# KiCad board motorgo_core_panel2.kicad_pcb (continued)
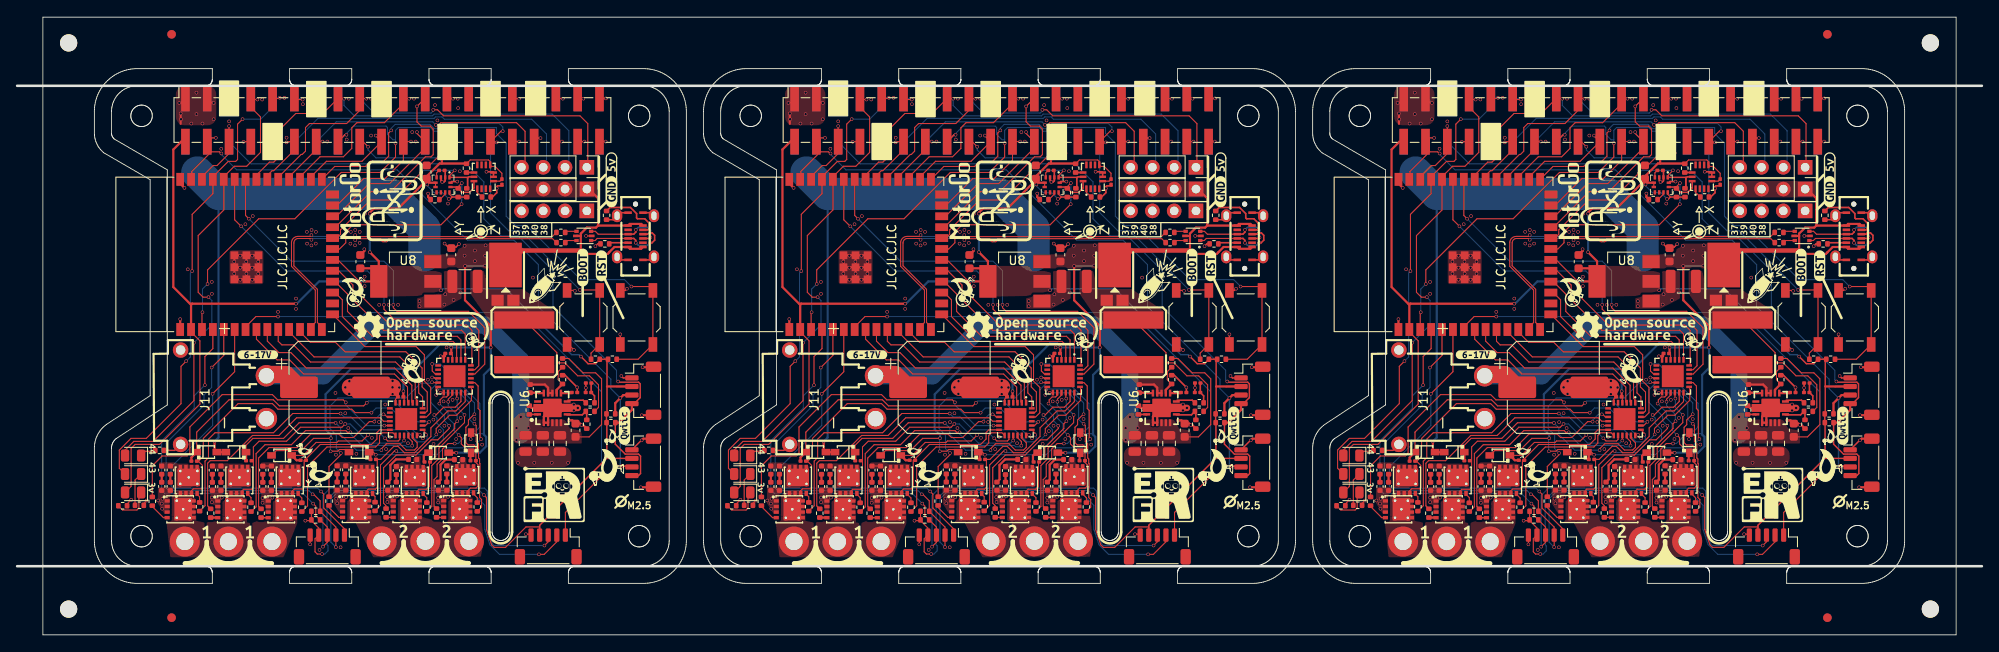
[diagram p0: board, top side]
## Routing (per net, layer and track width the routed paths; a pad name or vN(x,y) marks a point on that pad's centre or on a via; arc(x,y) is an arc through that point) (continued)
Board_0-gpio21: length 24.9
  Top w0.12: U1#3.23 37.09,47.52 41.23,51.66 43.51,51.66 47.58,55.72 48.24,55.72 48.5,55.98 48.5,58.95 48.15,59.3 47.1,59.3 46.6,59.8 v1(46.6,61.6) 47.53,62.53
  Bottom w0.12: v1(46.6,61.6) 47.5,62.5
Board_0-gpio35: length 11.9
  Top w0.12: 34.24,53.39 36.05,55.2 40.19,55.2 J4#2.20 41.8,58.16 v1(41.8,58.2)
  Bottom w0.12: v1(41.8,58.2) 41.8,58.14 J7#2.19
Board_0-gpio36: length 18.4
  Top w0.12: 45.01,61.91 42.8,59.7 39.6,59.7 39,59.1 39,56.7 38.03,55.73 35.3,55.73 32.97,53.39 ; J4#2.21 45.67,62.53 v1(45.7,62.5)
  Bottom w0.12: v1(45.7,62.5) J7#2.22
Board_0-gpio37: length 35.7
  Top w0.12: 31.7,53.39 34.85,56.55 ; v1(48.8,59.45) 49.13,59.45 49.38,59.7 58.2,59.7 59.2,58.7 59.2,54.92 ; v1(35.6,57.5) 35.59,57.49 J4#2.14
  Bottom w0.12: v1(35.6,57.5) 34.9,57.5 ; J7#2.13 37.2,59.8 48.44,59.8 v1(48.8,59.45)
Board_0-gpio38: length 49.3
  Top w0.12: J4#2.17 40.67,62.53 v1(40.7,62.5) ; U1#3.31 30.43,53.33 33.1,56 33.22,56 33.61,56.38 33.61,59.13 34.07,59.6 38.4,59.6 39.93,61.13 ; 66.51,54.61 66.51,59.59 65.6,60.5 49.7,60.5 49,61.2 v1(48.5,61.2)
  Bottom w0.12: v1(40.7,62.5) J7#2.18 41.62,60.82 48.24,60.82 48.5,61.08 v1(48.5,61.2)
Board_0-gpio39: length 41.5
  Top w0.12: 32.31,56.51 29.9,54.1 29.72,54.1 29.16,53.54 ; J4#2.12 31.49,57.49 v1(31.4,57.4)
  Bottom w0.12: v1(31.4,57.4) 32.26,57.4 ; J7#2.11 35.06,60.2 48.6,60.2 48.77,60.37 49.53,60.37 49.8,60.1 59.98,60.1 61.7,58.38 61.7,54.48
Board_0-gpio40: length 48.6
  Top w0.12: 27.89,53.59 29.4,55.1 29.91,55.1 30.6,55.79 30.6,58.9 32.47,60.77 35.63,60.77 J4#2.15 38.07,62.53 v1(38.1,62.5)
  Bottom w0.12: J7#2.16 v1(38.1,62.5) 38.1,61.7 39.3,60.5 48.4,60.5 48.6,60.7 62.36,60.7 64.3,58.76 64.3,54.94
Board_0-gpio43: length 55.8
  Top w0.12: v1(19.7,31.9) 19.1,31.3 19.1,26.95 15.05,22.9 13.27,22.9 11.91,21.54 11.91,19.42 D2#3.2 ; v1(20.4,42.4) 20.4,49.02 22.81,51.43 U1#3.37 22.81,53.39 24.61,55.19 25.47,55.19 25.69,55.41 25.69,59.53 v1(26.27,60.11) ; J4#2.9 30.53,62.53 v1(30.6,62.6)
  Bottom w0.12: v1(20.4,42.4) 20.19,42.19 20.19,32.39 v1(19.7,31.9) ; J7#2.10 29.78,61.51 28.38,60.11 v1(26.27,60.11) ; v1(30.6,62.6) 29.88,62.6
Board_0-gpio44: length 53.8
  Top w0.12: 27.36,62.4 v1(28,62.4) ; J4#2.7 27.23,61.5 28.36,60.37 28.36,56.23 26.75,54.62 25.31,54.62 24.08,53.39 U1#3.36 24.08,49.52 21.1,46.54 21.1,39.93 21.67,39.36 v1(22.3,39.36) ; v1(20.6,34.05) 20.6,27.3 15.85,22.55 13.6,22.55 12.58,21.53 D1.2
  Bottom w0.12: v1(20.6,34.05) 22.69,36.14 22.69,38.97 v1(22.3,39.36) ; v1(28,62.4) 27.34,62.4
Board_0-gpio47: length 16.7
  Top w0.12: 47.55,56.75 43.4,52.6 41.02,52.6 37.21,48.79 ; v1(46.6,58.6) 46.6,58.44 J4#2.24
  Bottom w0.12: v1(46.6,58.6) 46.6,58.42 J7#2.23
Board_0-gpio48: length 13.8
  Top w0.12: 37.26,50.06 40.4,53.2 42.9,53.2 45.01,55.31 J4#2.22 ; v1(45.9,57.5) 45.03,57.5
  Bottom w0.12: v1(45.9,57.5) 45.06,57.5
Board_0-m1_uh: length 20.9
  Top w0.12: U1#3.15 40.52,33.6 46.5,33.6 47.47,32.63 47.47,29.58 48.2,28.84 48.2,25.89 47.71,25.4 U3#2.22
Board_0-m1_ul: length 21.8
  Top w0.12: U3#2.1 46.6,27.37 46.4,27.57 46.4,29.5 44.1,31.8 34.2,31.8 32.2,33.8 30.85,33.8 30.43,34.22 U1#3.10
Board_0-m1_vh: length 22.1
  Top w0.12: U1#3.12 32.97,35.3 34.17,34.1 37.1,34.1 38.2,33 45.3,33 47.2,31.1 47.2,28.9 47.8,28.3 47.8,26.11 47.59,25.9 U3#2.23
Board_0-m1_vl: length 22.4
  Top w0.12: U1#3.9 29.16,34.24 30.5,32.9 31.9,32.9 33.7,31.1 44,31.1 46,29.1 46,27.16 U3#2.2
Board_0-m1_wh: length 21.5
  Top w0.12: U3#2.24 47.26,27.74 46.8,28.2 46.8,30.2 44.6,32.4 34.6,32.4 31.7,35.3 U1#3.11
Board_0-m1_wl: length 22.9
  Top w0.12: U3#2.3 45.5,27.16 45.5,28.88 43.98,30.4 33.4,30.4 31.75,32.05 30.3,32.05 27.89,34.46 U1#3.8
Board_0-m2_uh: length 46.4
  Top w0.12: U4#2.22 53.35,30.4 54.5,31.55 54.5,35.8 52.59,37.71 44.27,37.71 43.85,38.13 v1(43.85,38.47) ; v1(27,48.51) 26.62,48.89 U1#3.34
  Bottom w0.12: v1(27,48.51) 31.95,43.55 42.75,43.55 43.85,42.45 v1(43.85,38.47)
Board_0-m2_ul: length 22.5
  Top w0.12: U1#3.19 37.47,42.44 39.13,40.78 39.13,39.07 42.7,35.5 51.8,35.5 52.22,35.08 U4#2.1
Board_0-m2_vh: length 45.2
  Top w0.12: v1(42.75,38.47) 42.75,37.97 43.92,36.8 52.5,36.8 53.8,35.5 53.8,31.36 53.34,30.9 U4#2.23 ; v1(26.11,47.62) 25.35,48.38 U1#3.35
  Bottom w0.12: v1(26.11,47.62) 31.32,42.41 40.84,42.41 42.75,40.51 v1(42.75,38.47)
Board_0-m2_vl: length 21.3
  Top w0.12: U4#2.2 51.72,34.38 51.3,34.8 41.4,34.8 38.5,37.7 38.5,39.73 37.06,41.17 36.76,41.17
Board_0-m2_wh: length 24.7
  Top w0.12: U1#3.20 37.38,43.71 40.09,41 40.09,39.51 43.5,36.1 52.4,36.1 53,35.5 53,31.52 U4#2.24
Board_0-m2_wl: length 19.9
  Top w0.12: U4#2.3 51.22,33.77 50.8,34.2 40.8,34.2 37.9,37.1 37.9,39.05 37.05,39.9 U1#3.17
Board_0-Net-(C1-Pad1): length 2.5
  Top w0.18: 66.92,28.27 66.91,28.29 66.91,29.33 C1#2.1 ; R19#2.2 67.3,27.86 C20#3.1
Board_0-Net-(C5-Pad1): length 0.9
  Top w0.25: C5#3.1 16.85,17.78
Board_0-Net-(C7-Pad1): length 0.9
  Top w0.25: C7.1 17.85,17.78
Board_0-Net-(C10-Pad1): length 0.9
  Top w0.25: C10.1 C11.2
Board_0-Net-(C12-Pad1): length 0.9
  Top w0.25: C12#2.1 C13.2
Board_0-Net-(C14-Pad1): length 0.9
  Top w0.25: C14.1 C21.2
Board_0-Net-(C22-Pad1): length 3.4
  Top w0.25: C22#2.1 61.51,29.18 61.89,28.81 U6.12 U6.11
Board_0-Net-(C23-Pad1): length 15.7
  Top w0.12: L1#2.2 62.9,32.9 62.9,31.9 63.1,31.7 63.83,31.7 65.34,30.19 66.71,30.19 67.76,29.14 67.76,26.52 R24#2.1
Board_0-Net-(C27-Pad1): length 0.9
  Top w0.25: C27#2.1 C28.2
Board_0-Net-(C35-Pad1): length 0.9
  Top w0.25: C35.1 C36#3.2
Board_0-Net-(C37-Pad1): length 0.9
  Top w0.25: C37#3.1 C38#3.2
Board_0-Net-(C40-Pad1): length 4.5
  Top w0.25: C41#2.2 43.5,18.11 43.5,19.79 44.16,20.45 C40.1
Board_0-Net-(C42-Pad1): length 0.9
  Top w0.25: C42#3.1 C43#3.2
Board_0-Net-(C44-Pad1): length 4
  Top w0.25: C44.1 49.94,20.42 49.35,19.84 49.35,18.08 C45#2.2
Board_0-Net-(C47-Pad1): length 0.9
  Top w0.25: C47.1 C48.2
Board_0-Net-(D1-K): length 1.9
  Top w0.12: R1#2.1 15.99,21.4 14.95,21.4 D1.1
Board_0-Net-(D2-K): length 3.9
  Top w0.12: D2#3.1 13.74,18.04 R2#3.1
Board_0-Net-(D3-K): length 4.6
  Top w0.12: D3#3.1 14.19,16.34 14.19,14.78 13.96,14.55 12.29,14.55 R3.1
Board_0-Net-(D5-K): length 34.8
  Top w0.12: v1(48.03,24.83) 47.59,24.4 U3#2.20 ; D5#3.1 20.93,23.63 24.7,27.4 29.85,27.4 30.56,26.69 40.39,26.69 v1(40.75,27.05)
  Top w0.25: C4#2.2 20.3,20.68 D5#3.1
  Bottom w0.12: v1(48.03,24.83) 46.37,24.83 43.94,27.26 40.96,27.26 v1(40.75,27.05)
Board_0-Net-(D6-K): length 27.7
  Top w0.12: 26.67,20.36 26.67,22.1 27.47,22.9 31.05,22.9 32.87,24.72 37.1,24.72 v1(37.12,24.7) ; v1(42.45,21.53) 42.45,21.68 43.05,22.28 44.6,22.28 45.33,21.54 46.3,21.54 46.62,21.86 46.62,22.38 46.1,22.91 U3#2.17
  Top w0.25: 26.67,20.36 26.68,20.36 26.68,21.05
  Bottom w0.12: v1(42.45,21.53) 39.55,21.53 37.7,23.37 37.7,24.12 v1(37.12,24.7)
Board_0-Net-(D7-K): length 15.8
  Top w0.12: v1(42.88,22.91) 43.19,22.6 44.42,22.6 44.6,22.78 U3#2.14 ; v1(40.9,23.3) 40.2,22.6 37.43,22.6 37.26,22.43 34.85,22.43 33.34,20.92 D7#3.1
  Top w0.25: D7#3.1 32.56,20.35 C26#3.2
  Bottom w0.12: v1(40.9,23.3) 41.05,23.45 42.34,23.45 v1(42.88,22.91)
Board_0-Net-(D8-K): length 22.2
  Top w0.12: D8.1 41.5,21.3 v1(41.8,21) ; v1(54.08,22.82) 53.96,22.94 53.96,26.15 53.73,26.38 53.73,29.01 53.34,29.4 U4#2.20
  Top w0.25: C34.2 41.18,21.14 D8.1
  Bottom w0.12: v1(41.8,21) 48.95,21 49.75,21.8 53.06,21.8 v1(54.08,22.82)
Board_0-Net-(D9-K): length 12.1
  Top w0.12: U4#2.17 51.72,27.19 51.07,26.54 49.72,26.54 48.81,25.63 v1(48.63,25.63) ; 47.95,21.22 48.18,21.45 v1(48.18,21.83)
  Top w0.25: C39#3.2 47.4,20.23 47.4,20.88 47.75,21.22 47.88,21.22
  Bottom w0.12: v1(48.63,25.63) 48.63,25.5 48.69,25.5 48.93,25.26 48.93,24.66 49.67,23.92 49.67,22.77 48.73,21.83 v1(48.18,21.83)
Board_0-Net-(D10-K): length 10.1
  Top w0.12: U4#2.14 50.22,27.91 50.05,27.73 49.64,27.73 49.29,27.38 49.29,27.04 v1(49.21,26.96) ; v1(51.46,23.29) 51.77,22.98 51.77,22.26 52.8,21.23
  Top w0.25: C46#3.2 52.83,21.2 52.8,21.23
  Bottom w0.12: v1(51.46,23.29) 50.9,23.85 50.9,24.61 50.22,25.29 50.22,25.95 v1(49.21,26.96)
Board_0-Net-(J1-CC1): length 2.1
  Top w0.18: 69.14,45.71 J1.A5
Board_0-Net-(J1-CC2): length 7.6
  Top w0.18: R5#2.2 69.11,49.82 71.48,49.82 72.2,49.1 72.2,48.6 72.3,48.5 73.15,48.5 73.7,47.95 73.7,47.4 73.51,47.21 J1.B5
Board_0-Net-(J1-DN1): length 9.5
  Top w0.12: 71.2,46.7 67.72,46.7 67.39,47.04 U2#2.3
  Top w0.18: J1.A7 71.88,46.71 72.1,46.93 v1(72.1,47.2) ; J1.B7 73.66,46.21 73.84,46.38
  Bottom w0.18: v1(72.1,47.2) 72.4,47.5 73.5,47.5 73.84,47.16 73.84,46.35 v1(73.81,46.32)
Board_0-Net-(J1-DP1): length 10.4
  Top w0.12: U2#2.1 67.36,45.96 67.61,46.21 J1.A6
  Top w0.18: 73.75,45.7 74,45.7 74.3,46 74.3,46.57 74.03,46.84 73.64,46.84 73.51,46.71 J1.B6 ; J1.A6 71.88,46.21 72.1,45.98 v1(72.1,45.7)
  Bottom w0.18: v1(72.1,45.7) 72.4,45.4 73.45,45.4 73.75,45.7 v1(73.78,45.7)
Board_0-Net-(Q1-G): length 1.1
  Top w0.12: R15.2 21.26,16.1 20.98,16.39
Board_0-Net-(Q2-G): length 2.4
  Top w0.12: 15.75,15.06 15.75,14.95 17.05,13.66 Q2#3.4
Board_0-Net-(Q3-G): length 1.2
  Top w0.12: 27.3,15.39 27.26,15.43 27.26,16 26.88,16.38
Board_0-Net-(Q4-G): length 0.8
  Top w0.12: 23.37,13.67 Q4.4
  Top w0.25: R12#2.1 23.37,13.67
Board_0-Net-(Q5-G): length 1.2
  Top w0.12: R11#3.2 33.18,15.95 32.75,16.38
Board_0-Net-(Q6-G): length 0.8
  Top w0.16: Q6.4 28.45,13.66
Board_0-Net-(Q7-G): length 1.1
  Top w0.12: R27#3.2 41.71,16.12 41.42,16.41
Board_0-Net-(Q8-G): length 2.3
  Top w0.12: R26.1 36.35,14.83 37.5,13.69 Q8#2.4
Board_0-Net-(Q9-G): length 1.2
  Top w0.12: R23.2 47.75,15.98 47.33,16.41
Board_0-Net-(Q10-G): length 0.8
  Top w0.12: Q10#3.4 43.81,13.7 R22.1
Board_0-Net-(Q11-G): length 1.2
  Top w0.12: 53.2,16.41 53.63,15.98 R21.2
Board_0-Net-(Q12-G): length 0.8
  Top w0.16: Q12.4 48.89,13.68
Board_0-Net-(R6-Pad2): length 1.4
  Top w0.12: U2#2.6 64.13,45.96 R6#3.2
Board_0-Net-(R7-Pad2): length 1.2
  Top w0.12: U2#2.4 64.01,47.04
Board_0-Net-(U3-HO1): length 38.4
  Top w0.12: v1(47.65,23.33) 47.65,23.51 U3#2.19 ; v1(37.7,25.8) 32.12,25.8 29.88,23.56 23.06,23.56 22.3,22.8 22.3,20.65 21.9,20.25 21.9,15.06 R15.1
  Bottom w0.12: v1(47.65,23.33) 47.78,23.19 47.78,22.75 47.53,22.5 46.7,22.5 45.3,23.9 40.4,23.9 38.9,25.4 38.1,25.4 v1(37.7,25.8)
Board_0-Net-(U3-HO2): length 28.6
  Top w0.12: v1(38.85,23.61) 38.51,23.61 38.32,23.8 33.6,23.8 31.96,22.16 28.89,22.16 27.85,21.12 27.85,14.92 27.3,14.37 ; U3#2.16 45.6,22.98 46.05,22.53 v1(46.05,22.05)
  Bottom w0.12: v1(46.05,22.05) 45.92,21.92 45.38,21.92 45.23,22.08 40.19,22.08 38.85,23.42 v1(38.85,23.61)
Board_0-Net-(U3-HO3): length 18
  Top w0.12: R11#3.1 33.85,15.04 33.85,19.63 36.12,21.9 41.78,21.9 42.24,22.36 42.24,23.23 42.56,23.55 43.79,23.55 U3#2.13
Board_0-Net-(U3-LO1): length 38.2
  Top w0.12: U3#2.11 43.43,24.39 v1(42.8,24.39) ; v1(38.3,27.1) 38.01,27.39 30.36,27.39 29.75,28 23.9,28 20.13,24.23 20.13,21.18 19.8,20.85 16.9,20.85 15.75,19.7 R14.2
  Bottom w0.12: v1(38.3,27.1) 38.3,26.8 40.71,24.39 v1(42.8,24.39)
Board_0-Net-(U3-LO2): length 29.1
  Top w0.12: U3#2.10 42.7,24.9 42.3,25.3 32.57,25.3 30.51,23.24 27.43,23.24 24.49,20.3 22.5,20.3 22.2,20 22.2,15.04 R12#2.2
Board_0-Net-(U3-LO3): length 24
  Top w0.12: v1(42.7,25.7) 42.81,25.7 43.11,25.4 U3#2.9 ; R10#3.2 28.14,14.98 28.14,20.61 29.36,21.83 32.64,21.83 34.21,23.4 37.5,23.4 37.9,23 39.2,23 41.05,24.85 v1(41.63,24.85)
  Bottom w0.12: v1(41.63,24.85) 41.63,25.03 42.3,25.7 v1(42.7,25.7)
Board_0-Net-(U3-VS1): length 37.6
  Top w0.12: 20.33,16.39 20.33,16.81 20.55,17.03 21.48,17.03 21.6,17.15 21.6,19.75 21.1,20.25 C4#2.1 21.15,20.25 21.7,20.8 21.7,22.9 25.75,26.95 29.75,26.95 30.4,26.3 39,26.3 39.4,25.9 v1(41.3,25.9) ; v1(46.93,23.33) 46.69,23.33 U3#2.18
  Bottom w0.12: v1(41.3,25.9) 41.84,26.44 43.56,26.44 46.67,23.33 v1(46.93,23.33)
Board_0-Net-(U3-VS2): length 26.9
  Top w0.12: v1(45.1,22.65) U3#2.15 ; v1(38.24,24.58) 37.86,24.2 33.03,24.2 31.4,22.57 28.2,22.57 27.53,21.9 27.53,17.17 27.33,16.97 26.4,16.97 26.23,16.8 26.23,16.38
  Bottom w0.12: v1(45.1,22.65) 44.8,22.35 41.05,22.35 38.82,24.58 v1(38.24,24.58)
Board_0-Net-(U3-VS3): length 16.9
  Top w0.12: 32.11,16.38 32.11,16.8 32.31,17 33.22,17 33.45,17.23 33.45,20.31 35.33,22.19 41.29,22.19 41.94,22.83 41.94,23.58 42.25,23.9 U3#2.12
Board_0-Net-(U4-HO1): length 21.5
  Top w0.12: v1(44.2,21.42) 43.97,21.42 42.35,19.8 42.35,15.08 R27#3.1 ; v1(48.86,23.36) 48.84,23.38 48.84,24.05 50.4,25.6 51.21,25.6 52.95,27.34 52.95,28.9
  Bottom w0.12: v1(48.86,23.36) 48.86,23.31 46.8,21.25 44.38,21.25 v1(44.2,21.42)
Board_0-Net-(U4-HO2): length 16
  Top w0.12: v1(51.28,27.54) 51.22,27.6 U4#2.16 ; R23.1 48.33,14.97 48.33,19.72 49.16,20.56 49.16,21.76 52.14,24.74 v1(52.14,25.64)
  Bottom w0.12: v1(52.14,25.64) 51.28,26.5 v1(51.28,27.54)
Board_0-Net-(U4-HO3): length 17.8
  Top w0.12: v1(53.3,24.61) 53.5,24.41 53.5,22.54 53.78,22.26 53.78,20.62 53.9,20.5 53.9,19.99 53.94,19.95 53.94,17.23 53.9,17.18 53.9,16 54.13,15.77 54.13,14.9 R21.1 ; v1(49.34,28.21) 49.69,28.21 U4#2.13
  Bottom w0.12: v1(49.34,28.21) 51.53,28.21 52.72,27.02 52.72,25.12 53.23,24.61 v1(53.3,24.61)
Board_0-Net-(U4-LO1): length 25.4
  Top w0.12: v1(48.36,29.45) 48.4,29.4 U4#2.11 ; v1(37.73,21.19) 37.73,21 36.35,19.62 R26.2
  Bottom w0.12: v1(48.36,29.45) 48.25,29.34 47.04,29.34 45.3,27.6 37.4,27.6 36.46,26.66 36.46,24.03 37.2,23.29 37.2,21.72 v1(37.73,21.19)
Board_0-Net-(U4-LO2): length 22.7
  Top w0.12: v1(48.37,30) 48.64,30 48.73,29.9 U4#2.10 ; v1(50.35,24.38) 50.35,24.05 49.03,22.73 48.25,22.73 46.47,20.95 44.17,20.95 42.71,19.49 42.71,15.34 42.97,15.08 42.97,14.74 R22.2
  Bottom w0.12: v1(48.37,30) 48.58,30 48.94,29.64 48.94,29.3 48.2,28.56 48.2,27.09 49.79,25.5 49.79,24.96 50.35,24.4 v1(50.35,24.38)
Board_0-Net-(U4-LO3): length 24.7
  Top w0.12: R20#2.2 48.59,15.01 48.59,18.08 48.95,18.44 48.95,19.9 49.58,20.53 49.58,21.66 50.22,22.3 v1(51,22.3) ; v1(48.38,31.57) 48.38,30.75 48.73,30.4 U4#2.9
  Bottom w0.12: v1(51,22.3) 51.4,22.3 52.86,23.76 53.46,23.76 53.92,24.22 53.92,26.98 49.33,31.57 v1(48.38,31.57)
Board_0-Net-(U4-VS1): length 20.5
  Top w0.12: 40.78,16.41 40.78,16.83 40.92,16.98 41.76,16.98 41.97,17.2 41.97,20.3 C34.1 42.38,20.45 43.9,21.97 44.39,21.97 45.14,21.22 46.33,21.22 48.22,23.12 48.22,24.12 50.2,26.1 51.14,26.1 52.22,27.19 U4#2.18
Board_0-Net-(U4-VS2): length 14.9
  Top w0.12: U4#2.15 50.72,27.95 50.25,27.47 v1(50.25,27.17) ; 46.67,16.41 46.67,16.83 46.83,16.98 47.73,16.98 48.05,17.29 48.05,20.08 C39#3.1 48.79,20.82 48.79,21.84 51,24.05 51,24.6 v1(51.3,24.9)
  Bottom w0.12: v1(51.3,24.9) 51.28,24.92 51.28,25.68 50.25,26.71 v1(50.25,27.17)
Board_0-Net-(U4-VS3): length 18.4
  Top w0.12: 52.56,16.41 52.56,16.83 52.83,17.1 53.48,17.1 53.7,17.33 53.7,19.85 53.47,20.09 53.47,21.89 53.22,22.14 52.56,22.14 52.3,22.4 52.3,24.2 52.6,24.5 52.6,25.04 53.27,25.71 v1(53.3,25.71) ; U4#2.12 48.91,28.74 v1(48.91,28.55)
  Bottom w0.12: v1(48.91,28.55) 49.01,28.65 51.69,28.65 53.3,27.04 v1(53.3,25.71)
Board_0-Net-(U6-BOOT): length 1.6
  Top w0.25: C22#2.2 60.72,28.22 60.76,28.17 U6.13
Board_0-Net-(U6-COMP): length 2.2
  Top w0.18: 64.2,27.35 65.97,27.35 66.28,27.05
Board_0-Net-(U6-EN): length 3.7
  Top w0.12: R16#2.2 63.06,30.69 63.06,29.74 R17.1
  Top w0.25: R17.1 62.89,28.56 U6.10
Board_0-Net-(U6-RT/CLK): length 1
  Top w0.18: 60.66,25.64 60.61,25.69 R18.1
Board_0-Net-(U6-SS/TR): length 1.2
  Top w0.25: U6.9 64.57,28.17
Board_0-Net-(U6-VSENSE): length 3.4
  Top w0.18: R25.1 66.39,25.94 R24#2.2 65.87,25.64 64.11,25.64
Board_0-Net-(U10-C1): length 0.9
  Top w0.12: U10#3.4 48.89,53.85 C30#2.2
Board_0-Net-(U10-SD0/SA1): length 1.1
  Top w0.12: U10#3.9 49.89,51.37 49.26,50.74
Board_0-Net-(U11-CS): length 0.9
  Top w0.18: R50#2.1 53.23,53.89
Board_0-Net-(U11-SDO/SA0): length 1.2
  Top w0.12: U11#2.1 53.63,51.59 R49#2.1
Board_0-p7: length 1.7
  Top w0.12: J4#2.8 26.41,57.49 v1(26.39,57.47)
  Bottom w0.12: J7#2.7 27.23,57.47 v1(26.39,57.47)
Board_0-p12: length 2
  Top w0.12: v1(33.28,62.4) 32.44,62.4 J4#2.11
  Bottom w0.12: J7#2.12 33.18,62.5 v1(33.28,62.4)
Board_0-p26: length 1.4
  Top w0.12: v1(50.8,62.5) 50.77,62.53 J4#2.25
  Bottom w0.12: v1(50.8,62.5) 50.78,62.52 50.09,62.52
Board_0-p31: length 1.6
  Top w0.12: v1(58.5,57.5) 58.49,57.49 J4#2.32
  Bottom w0.12: v1(58.5,57.5) 57.73,57.5
Board_0-p32: length 1.6
  Top w0.12: v1(58.5,62.5) 58.47,62.53 J4#2.31
  Bottom w0.12: v1(58.5,62.5) 58.48,62.52 57.71,62.52
Board_0-p33: length 1.2
  Top w0.18: J4#2.34 60.67,57.9 v1(61,57.9)
  Bottom w0.18: v1(61,57.9) 60.67,57.9
Board_0-p35: length 1.4
  Top w0.12: J4#2.36 63.49,57.49 v1(63.5,57.5)
  Bottom w0.12: v1(63.5,57.5) 62.81,57.5
Board_0-p36: length 1.6
  Top w0.12: v1(63.6,62.5) 63.57,62.53 J4#2.35
  Bottom w0.12: 62.79,62.52 63.58,62.52 v1(63.6,62.5)
Board_0-p37: length 1.5
  Top w0.12: J4#2.38 66.09,57.49 v1(66.1,57.5)
  Bottom w0.12: 65.33,57.48 66.08,57.48 v1(66.1,57.5)
Board_0-p38: length 1.4
  Top w0.12: v1(66,62.5) 65.97,62.53 J4#2.37
  Bottom w0.12: v1(66,62.5) 65.98,62.52 65.33,62.52
Board_0-p40: length 1.5
  Top w0.18: v1(68.63,62.53) J4#2.39
  Bottom w0.18: v1(68.63,62.53) 67.88,62.53
Board_0-reset: length 102.6
  Top w0.12: v1(21.6,37.6) 21.54,37.54 U1#3.3 ; v1(44.1,57.3) 44.1,55.7 42.3,53.9 37.77,53.9 32.37,48.5 28.16,48.5 22.19,42.54 v1(22.19,40.89) ; R9.2 72.38,32.12 J3#3.1 J3#3.1 73.65,40.6 v1(71.6,40.6)
  Top w0.16: v1(38.38,58.29) 38.19,58.29 J4#2.16
  Bottom w0.12: v1(22.19,40.89) 21.6,40.3 v1(21.6,37.6) ; J7#2.15 39.24,59.3 43,59.3 43.16,59.14 43.16,58.34 43.8,57.7 44.1,57.7 ; 44.1,57.7 44.1,58.8 44.44,59.14 48.15,59.14 48.59,58.7 49.05,58.7 49.49,59.14 55.86,59.14 55.86,58.44 57,57.3 57,48.8 58.1,47.7 59.4,47.7 65.7,41.4 70.8,41.4 v1(71.6,40.6) ; 44.1,57.7 v1(44.1,57.3)
Board_0-scl: length 89.9
  Top w0.12: 21.54,53.39 22.85,54.7 23.29,54.7 24.7,56.11 v1(24.7,59.3)
  Top w0.16: J13#3.4 71.92,26.95 72.62,27.65 72.62,29.26 72.43,29.45 70.13,29.45 v1(70.05,29.53) ; J15#2.4 72.42,18.57 72.66,18.8 72.66,20.83 72.42,21.07 70.88,21.07 69.72,22.22 R31.2
  Top w0.25: R31.2 70.18,24.74 71.65,26.21 J13#3.4
  Bottom w0.12: J7#2.5 27.26,54.9 52.3,54.9 54.4,52.8 54.4,48.5 56.4,46.5 58.4,46.5 62.46,42.44 62.46,38.24 69.86,30.84 69.86,29.72 v1(70.05,29.53) ; 24.69,57.48 24.69,59.29 v1(24.7,59.3)
Board_0-sda: length 85.5
  Top w0.12: 22.6,57.93 J4#2.4 22.15,56.83 22.68,56.3 23.57,56.3 23.76,56.11 v1(23.8,56.11) ; 22.6,57.93 22.6,56.28 20.34,54.02 20.34,53.16 U1#3.39 ; 22.6,57.93 v1(23.16,57.93)
  Top w0.16: J15#2.3 71.56,19.66 v1(70.43,19.66)
  Top w0.25: J13#3.3 70.65,27.95 v1(70.3,27.6) 69.71,27.01 R30#3.2
  Bottom w0.12: v1(23.8,56.11) 23.8,56 25.6,54.2 44.3,54.2 52.5,46 57.9,46 60.75,43.15 60.75,38.25 69.2,29.8 69.2,28.7 v1(70.3,27.6) ; v1(23.16,57.93) 22.63,57.93 J7#2.3
  Bottom w0.16: v1(70.3,27.6) 70.3,19.79 v1(70.43,19.66)
Board_0-usb_d+: length 43
  Top w0.12: 35.51,35.89 35,36.41 35,40.27 32.25,43.02 32.25,45.69 arc(32.38,46.03) 32.7,46.2 34.15,46.2 arc(34.26,46.16) v1(34.3,46.05) ; 62.87,45.72 62.41,46.18 43.38,46.18 arc(43.26,46.13) 43.2,46 arc(43.15,45.87) 43.02,45.82 42.64,45.82 arc(42.52,45.87) 42.46,46 arc(42.41,46.13) 42.28,46.18 39.59,46.18 v1(39.41,46)
  Bottom w0.12: v1(34.3,46.05) 34.45,46.2 39.21,46.2 v1(39.41,46)
Board_0-usb_d-: length 43
  Top w0.12: R7#2.1 62.37,46.42 39.58,46.42 v1(39.4,46.6) ; 34.24,35.89 34.75,36.41 34.75,40.18 31.98,42.96 31.98,45.77 arc(32.23,46.25) 32.73,46.44 34.14,46.44 v1(34.3,46.6)
  Bottom w0.12: v1(34.3,46.6) 34.46,46.44 39.24,46.44 v1(39.4,46.6)
Board_1-+3.3V: length 223
  Top w0.12: R33#3.1 105.29,13.31 106.15,12.45 J16#3.4 105.72,11.19 105.72,9.68 105.98,9.42 v1(106.54,9.42) ; R33#3.1 105.2,13.31 v1(104.59,13.31) ; R33#3.1 R32#3.1 ; U1#2.2 91.27,35.3 92.3,34.27 92.3,26.9 87.6,22.2 84.75,22.2 84.28,21.73 84.28,17.31 D3#2.2 ; v1(111.9,56.9) 111.31,57.49 ; v1(125.4,16.3) 125.7,16 125.7,12.3 126.3,10.5 126.6,10.2 127.93,10.2 130.31,12.58 131.9,12.58 J18#3.4 ; U10#2.6 U10#2.5 ; U11#3.5 127.27,52.89 127.5,53.11 127.5,53.8 126.7,54.6 126.31,54.6 U11#3.8 126.13,55.17 125.95,55.35 123.81,55.35 R50#3.2 ; 121.7,51.04 121.39,51.35 U10#2.10
  Top w0.16: 139.7,20.57 139.73,20.6 139.73,24.71 R31#2.1 139.69,24.75 R30#2.1 139.75,25.82 139.75,32.01 R9#3.1 R8#2.1 138.39,31.6 137.54,31.6 v1(136.71,32.44) ; 139.7,20.57 J15.2 ; 139.7,20.57 131.9,12.77 J18#3.4 ; R38#3.1 R39#2.1 ; v1(121.31,50.81) 121.47,50.81 121.7,51.04 122.39,51.04 ; 140.9,28.94 140.91,28.95 J13.2 142.64,28.94
  Top w0.25: 120.5,54.94 120.24,54.94 118.8,53.51 v1(118.8,52.5) ; 120.5,54.94 123.34,54.94 R50#3.2 ; 120.5,54.94 v1(120.5,55.58) ; U10#2.5 118.43,52.7 115.43,49.7 112.58,49.7 112.1,49.22 v1(112.1,49.1) ; J13.2 139.75,28.95 ; v1(111.5,41.2) U8.2 113.15,43.55 v1(112.1,44.6) ; C25#3.1 113.07,42.73 113.1,42.7 ; U1#2.2 91.27,38.47 91.4,38.6 ; 91.4,38.6 v1(103.5,38.6) ; 91.4,38.6 91.14,38.6 89.2,40.54 89.2,56.57 90.12,57.49 J4#3.2
  Bottom w0.12: v1(120.5,55.58) 120.48,55.6 112.82,55.6 111.9,56.52 v1(111.9,56.9) ; v1(106.54,9.42) 106.86,9.42 107.23,9.79 107.23,10.38 107.11,10.5 107.11,15.74 108.18,16.81 124.89,16.81 v1(125.4,16.3) ; v1(121.31,50.81) 120.59,51.54 119.6,51.54 118.8,52.34 v1(118.8,52.5) ; v1(104.59,13.31) 104.51,13.31
  Bottom w0.16: v1(120.39,40.16) 120.56,40.33 127.96,40.33 135.63,32.66 136.49,32.66 v1(136.71,32.44)
  Bottom w0.25: v1(111.5,41.2) 106.2,41.2 103.6,38.6 v1(103.5,38.6) ; v1(112.1,44.6) v1(112.1,49.1)
Board_1-+5V: length 177.7
  Top w0.12: U4#3.4 121.72,32.62 C33#3.1 ; D8#3.2 109.38,21.6 108.56,21.6 108.37,21.41 107.56,21.41 v1(107.54,21.39) ; 123.91,23.57 123.91,22.86 v1(123.86,22.81) ; v1(89.9,62) 90.09,62 J4#3.1 ; D7.2 101.2,21.47 104.12,21.47 105.54,22.9 107.56,22.9 v1(107.57,22.91) ; v1(93.9,62) 93.68,62 J4#3.3 ; C3#3.1 116.1,27.67 U3#3.4
  Top w0.25: 138.06,51.54 138.71,50.89 138.71,47.71 ; v1(126.2,33.5) 126.2,36 123.2,39 v1(123.2,43) ; D6#3.2 D5.2 94.01,21.56 v1(94.01,22.54) ; C33#3.1 121.6,32.85 v1(121.6,33.5) ; 136.7,46.5 136.7,44.9 136.6,44.8 137,44.4 139.82,44.4 140,44.58 140,44.59 140.62,45.21 J1#2.A4 142.42,45 143.73,45 J1#2.B9 ; 136.7,46.5 136.7,46.77 137.4,47.47 138.47,47.47 138.71,47.71 ; 136.7,46.5 U2#3.5 ; 138.71,47.71 J1#2.A9 142.4,47.9 143.75,47.9 J1#2.B4 ; v1(122.19,21.22) 121.3,21.22 ; C3#3.1 v1(116.02,28.39) ; 90.06,59.57 v1(90.06,60.77)
  Top w0.5: 136.6,44.8 129.89,44.8 128.79,43.7
  Bottom w0.12: v1(89.9,62) 90.09,62 90.61,62.52 ; 93.4,62.5 v1(93.9,62) ; v1(107.57,22.91) 107.5,22.84 107.5,21.43 v1(107.54,21.39) ; 125.66,23.08 125.29,23.45 124.25,23.45 123.86,23.06 v1(123.86,22.81)
  Bottom w0.25: 115.3,31 109.9,31 106.95,28.05 106.95,23.94 107.57,23.32 v1(107.57,22.91) ; 115.3,31 116.02,31 v1(116.02,28.39) ; 115.3,31 117.4,31 120.38,33.98 121.25,33.98 121.52,33.7 121.52,33.42 ; 94.5,51.4 94.47,51.37 94.47,23 v1(94.01,22.54) ; v1(122.19,21.22) 124.91,21.22 125.66,21.98 125.66,23.08 125.4,23.34 125.4,30.3 126.2,31.1 v1(126.2,33.5) v1(121.6,33.5) 121.54,33.56 ; 125.66,43 v1(123.2,43)
  Bottom w3.75: 92,53.9 94.5,51.4 114.4,51.4 118.47,47.33 118.47,44.21
  vias: v1(90.1,60.1) v1(91.3,59.6) v1(91.9,63.2) v1(91.9,60.7) v1(92.6,59.6) v1(93.9,60.1) v1(123.15,45.35) v1(123.15,44.2) v1(124.35,44.8) v1(124.35,43.55) v1(125.6,45.4) v1(125.55,44.2) v1(125.55,43.05)
Board_1-+BATT: length 62.5
  Top w0.12: R16.1 135.28,32.22 136.96,30.54 138.42,30.54 139.12,29.84 139.12,24.52 137.68,23.08 136.09,23.08 ; C27#3.2 C14#2.2
  Top w2: J11.1 100.2,30.35 102.35,30.35 C16#2.1
  Bottom w2: J11.1 106.7,30.2 112.59,36.09 125.6,36.09 129.7,32 v1(129.7,25.4) 129.7,23.3
  vias: v1(129.2,24.1) v1(129.2,22.7) v1(130.6,24.1)
Board_1-/connectors.enc1.cs: length 45.3
  Top w0.12: v1(93.78,28.1) 96.35,30.67 U1#2.6 ; J16#3.1 109.15,12.36 106.73,14.78 106.73,16.4 v1(106.42,16.71)
  Bottom w0.12: v1(93.78,28.1) 93.78,24.4 88.94,19.56 88.94,17.36 89.2,17.1 106.03,17.1 v1(106.42,16.71)
Board_1-/connectors.enc2.cs: length 64.8
  Top w0.12: J18#3.1 134.9,14.27 v1(139.11,18.48) ; U1#2.7 97.62,35.89 98.83,37.1 v1(101.4,37.1)
  Bottom w0.12: v1(101.4,37.1) 111.2,37.1 111.67,37.57 129.86,37.57 136.26,31.17 136.27,31.17 139.11,28.33 v1(139.11,18.48)
Board_1-/connectors.enc_scl: length 85.1
  Top w0.12: v1(108.15,10.22) J16#3.2 108.15,12.56 R32#3.2 106.31,15.62 105.55,16.38 v1(105.44,16.38) ; J18#3.2 133.9,10.85 132.43,9.38 v1(131.82,9.38) ; U1#2.5 95.08,32.57 v1(93.67,31.16)
  Bottom w0.12: v1(108.15,10.22) 107.56,10.81 107.56,15.85 108.28,16.57 124.03,16.57 125.5,15.1 125.5,12.3 126.1,10.5 127.22,9.38 v1(131.82,9.38) ; v1(105.44,16.38) 105.02,16.8 88.69,16.8 88.36,17.13 88.36,22.34 92.77,26.75 92.77,27.93 93.67,28.83 v1(93.67,31.16)
Board_1-/connectors.enc_sda: length 84.9
  Top w0.12: U1#2.4 93.81,33.37 92.88,32.44 v1(92.88,29.11) ; J18#3.3 132.9,10.85 v1(132.46,10.41) ; v1(106.64,10.28) 107.15,10.79 J16#3.3 ; J16#3.3 107.15,12.56 R33#3.2 105.8,13.91 105.8,15 v1(105.5,15.3) ; J16#3.3 107.15,11.63
  Bottom w0.12: v1(105.5,15.3) 104.3,16.5 88.2,16.5 87.84,16.86 87.84,22.62 91.63,26.41 91.63,27.86 v1(92.88,29.11) ; v1(106.64,10.28) 106.64,16.25 107.49,17.1 125.47,17.1 125.8,16.77 125.8,16.48 125.81,16.47 125.81,16.13 125.8,16.12 125.8,12.3 126.4,10.6 126.59,10.41 v1(132.46,10.41)
